# Altium PCB ESC_type_4_000.PcbDoc (part 1 of 3) (continued)
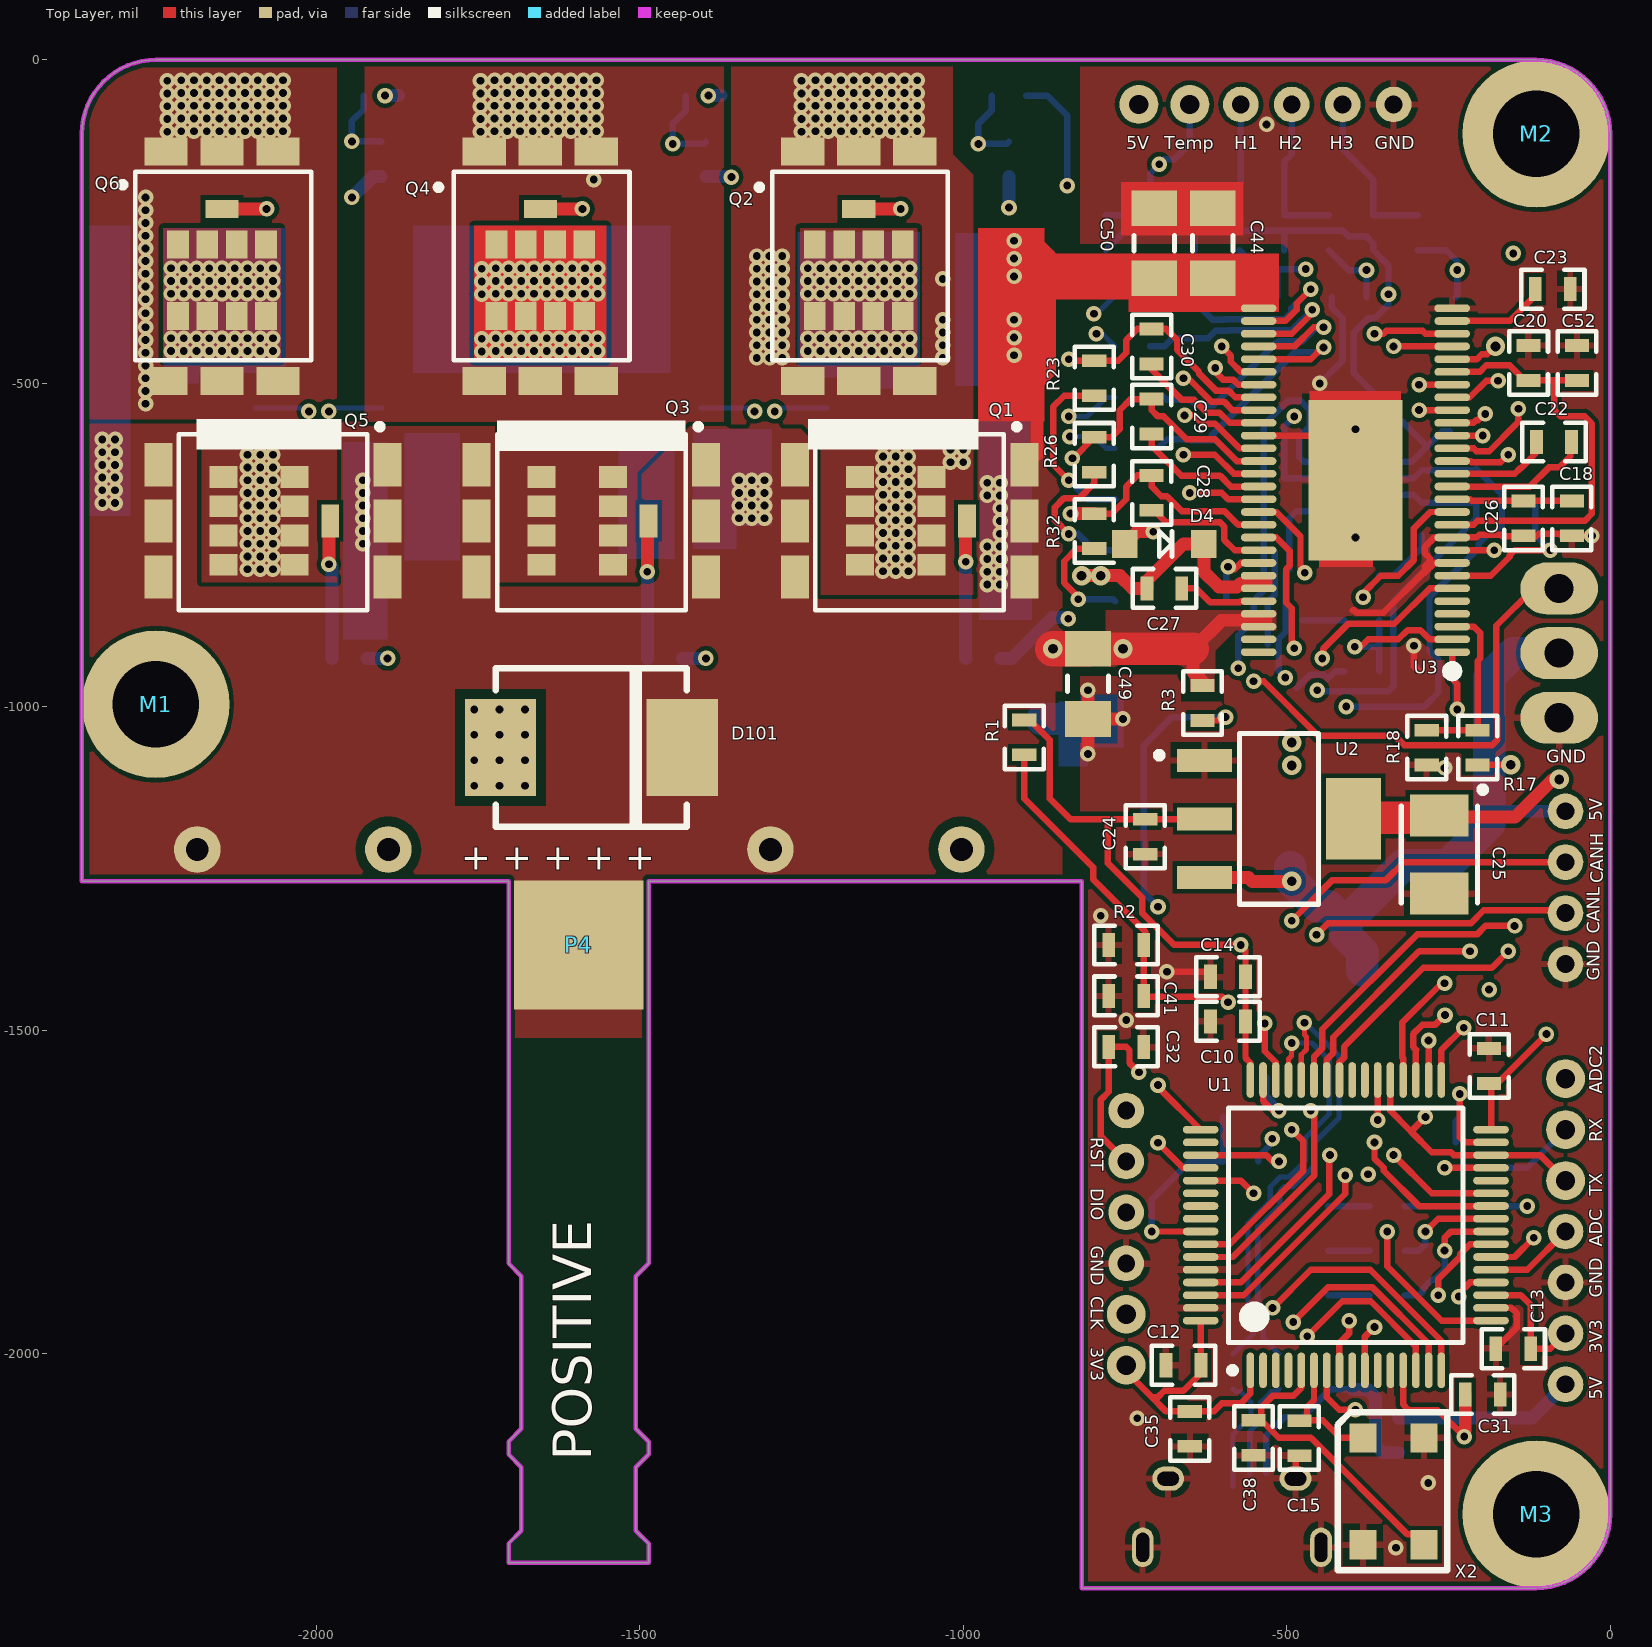
[diagram p0: Top Layer view]
## Design rules (kind name [scope] priority, off if disabled: settings)
Clearance Clearance_2 [InNet('GND') vs InNet('VBATT')] p1: gap=15 ignorepadtopadclearanceinfootprint=FALSE except(0: Arc-Hole Track-Hole SMDPad-Hole THPad-Hole Via-Hole Fill-Hole Poly-Hole Region-Hole Text-Hole)
Clearance Clearance_1 [OnLayer('Keep-Out Layer') vs HasFootprint('PAD1')] p2: gap=0 ignorepadtopadclearanceinfootprint=FALSE
Clearance [All] p3: gap=7 ignorepadtopadclearanceinfootprint=FALSE except(0: Arc-Hole Track-Hole SMDPad-Hole THPad-Hole Via-Hole Fill-Hole Poly-Hole Region-Hole Text-Hole)
ComponentClearance [All] p1: gap=1 collisioncheckmode=3 verticalgap=1 showdistances=TRUE
DiffPairsRouting [All] p1: maxlimit=10 minlimit=7 mostfreqgap=7 toplayer_minwidth=8 toplayer_maxwidth=15 toplayer_prefwidth=8 midlayer1_minwidth=8 midlayer1_maxwidth=15 midlayer1_prefwidth=8 midlayer2_minwidth=8 midlayer2_maxwidth=15 midlayer2_prefwidth=8 bottomlayer_minwidth=8 bottomlayer_maxwidth=15 bottomlayer_prefwidth=8 maxuncoupledlength=500
HoleSize [All] p1: absolutevalues=TRUE maxlimit=300 minlimit=1 maxpercent=80.000 minpercent=20.000
HoleToHoleClearance [All] p1: gap=7 allowstackedmicrovias=TRUE
MinimumSolderMaskSliver [All] p1: minsoldermaskwidth=0.5
PolygonConnect PolygonConnect_1 [(HasFootprint('WSLP2726') OR HasFootprint('PAD1') OR HasFootprint('ALU CAP 16DIA 25HIGH') OR HasFootprint('RADIAL DIODE D5.3 L9.5'))  or isvia or HasFootprint('DIRECTFET_1')] p1: connectstyle=Direct reliefconductorwidth=10 reliefentries=4 polygonreliefangle="90 Angle" airgapwidth=10
PolygonConnect "relief connection" [InNet('GND')] p2: connectstyle=Relief reliefconductorwidth=10 reliefentries=4 polygonreliefangle="90 Angle" airgapwidth=10
PolygonConnect [all or HasFootprintPad('SOP127P600-8N' ,57) or (InNamedPolygon('GND Source')) or isvia or HasFootprint('DIRECTFET_1')] p3: connectstyle=Direct reliefconductorwidth=10 reliefentries=4 polygonreliefangle="90 Angle" airgapwidth=10
RoutingVias [All] p1: holewidth=28 width=50 viastyle="Through Hole" minholewidth=12 minwidth=24 maxholewidth=28 maxwidth=50
SilkToSilkClearance [All] p1: silktosilkclearance=0
SilkToSolderMaskClearance [IsPad] p1: minsilkscreentomaskgap=0 clearancetoexposedcopper=TRUE
SolderMaskExpansion [All] p1: expansion=4
Width [All] p1: maxlimit=50 minlimit=10 preferedwidth=20
23 further rules are at their usual default settings.

## Classes and differential pairs
component class Sheet1: C2 C3 C100 C101 D1 D2 D3 D101 K1 M1 M2 M3 P1 P3 P4 P5 P101 R3 R4 R5 R6 R22 R37 R38 R53 R54 R103 R104 X1B
component class "Power Mosfet": C102 C103 C104 C105 C106 C107 C108 C109 C110 C111 P6 P7 P9 Q1 Q2 Q3 Q4 Q5 Q6 R28 R29 R30 R34 R35 R36 R42 R43 R46
component class "NTC temp sensor": C41 R1 R2
component class "MOSFET DRIVER": C18 C19 C20 C21 C22 C23 C24 C25 C26 C27 C28 C29 C30 C33 C34 C36 C43 C44 C49 C50 C52 D4 D5 L1 R17 R18 R19 R20 R21 R23 R24 R25 R26 R27 R32 R33 R48 R49 R50 R51 U2 U3
component class MCU: C10 C11 C12 C13 C14 C15 C16 C17 C31 C32 C35 C38 P2 U1 X2
component class "Hall Filter": C4 C5 C6 C7 R7 R8 R9 R10 R11 R12 R13
component class "CAN Bus": C401 C402 R401 U401
differential pair SH2: +SH2_P -SH2_N
differential pair SH1: +SH1_P -SH1_N
differential pair USB: +USB_P -USB_N
differential pair USB_D: +USB_D_P -USB_D_N

## Components (designator, comment, footprint, x,y, rotation, side; value= is the part's Value field where it differs from the comment)
C2 "Voltage important" "SMD-0603 Capacitor" -748.02,-1102.37 r180 bottom value="100nF, 50V"
C3 "Voltage important" "SMD-0603 Capacitor" -570.87,-1633.86 r180 bottom value="100nF, 50V"
C4 "CAP" "SMD-0603 Capacitor" -710.63,-267.16 r90 bottom value="4.7uF, 16V"
C5 "CAP" "SMD-0603 Capacitor" -265.75,-366.7 r0 bottom value="4.7nF, 50V"
C6 "CAP" "SMD-0603 Capacitor" -403.54,-366.7 r0 bottom value="4.7nF, 50V"
C7 "CAP" "SMD-0603 Capacitor" -541.34,-366.7 r0 bottom value="4.7nF, 50V"
C10 "Voltage important" "SMD-0603 Capacitor" -590.55,-1486.22 r0 top value="2.2uF, 16V"
C11 "Voltage important" "SMD-0603 Capacitor" -187.01,-1555.12 r270 top value="2.2uF, 16V"
C12 "Voltage important" "SMD-0603 Capacitor" -659.45,-2017.72 r0 top value="2.2uF, 16V"
C13 "Voltage important" "SMD-0603 Capacitor" -149.61,-1992.13 r0 top value="2.2uF, 16V"
C14 "Voltage important" "SMD-0603 Capacitor" -590.55,-1417.32 r0 top value="2.2uF, 16V"
C15 "CAP" "SMD-0603 Capacitor" -480.32,-2130.48 r90 top value="15pF, 100V"
C16 "Voltage important" "SMD-0603 Capacitor" -265.75,-1673.23 r0 bottom value="2.2uF, 16V"
C17 "Voltage important" "SMD-0603 Capacitor" -531.5,-1545.28 r270 bottom value="2.2uF, 16V"
C18 "CAP" "SMD-0603 Capacitor" -59.06,-708.66 r270 top value="4.7uF, 16V"
C19 "CAP" "SMD-0603 Capacitor" -383.86,-944.88 r0 bottom value="120pF, 50V"
C20 "CAP" "SMD-0603 Capacitor" -125.98,-468.5 r270 top value="4.7uF, 16V"
C21 "CAP" "SMD-0603 Capacitor" -501.97,-866.14 r0 bottom value="6.8nF, 50V"
C22 "CAP" "SMD-0603 Capacitor" -86.61,-590.55 r180 top value="22nF, 50V"
C23 "Voltage important" "SMD-0603 Capacitor" -88.58,-354.33 r180 top value="2.2uF, 16V"
C24 "Voltage important" "SMD-0603 Capacitor" -718.5,-1200.79 r90 top value="2.2uF, 16V"
C25 "Voltage important" "TANT B" -263.78,-1228.35 r270 top value="100uF, 6.3V"
C26 "CAP" "SMD-0603 Capacitor" -133.86,-708.66 r90 top value="4.7uF, 16V"
C27 "Voltage important" "SMD-0603 Capacitor" -688.98,-816.93 r180 top value="100nF, 50V"
C28 "Voltage important" "SMD-0603 Capacitor" -708.66,-669.29 r90 top value=220nF,25V
C29 "Voltage important" "SMD-0603 Capacitor" -708.66,-551.18 r90 top value=220nF,25V
C30 "Voltage important" "SMD-0603 Capacitor" -708.66,-442.91 r90 top value=220nF,25V
C31 "Voltage important" "SMD-0603 Capacitor" -196.85,-2062.99 r180 top value="2.2uF, 16V"
C32 "Voltage important" "SMD-0603 Capacitor" -748.03,-1525.59 r180 top value="100nF, 50V"
C33 "Voltage important" "TANT B" -448.82,-1405.51 r180 bottom value="100uF, 6.3V"
C34 "CAP" "SMD-0603 Capacitor" -620.08,-561.02 r270 bottom value="2.2nF, 50V"
C35 "Voltage important" "SMD-0603 Capacitor" -649.61,-2116.14 r90 top value="2.2uF, 16V"
C36 "CAP" "SMD-0603 Capacitor" -639.76,-403.54 r270 bottom value="2.2nF, 50V"
C38 "CAP" "SMD-0603 Capacitor" -551.18,-2129.92 r270 top value="15pF, 100V"
C41 "Voltage important" "SMD-0603 Capacitor" -748.03,-1446.85 r0 top value="2.2uF, 16V"
C43 "CAP" "SMD-1206 Capacitor" -807.09,-964.57 r90 bottom value="4.7uF, 100V"
C44 "CAP" "SMD-1206 Capacitor" -614.17,-283.46 r270 top value="4.7uF, 100V"
C49 "CAP" "SMD-1206 Capacitor" -807.09,-964.57 r270 top value="4.7uF, 100V"
C50 "CAP" "SMD-1206 Capacitor" -704.72,-283.46 r90 top value="4.7uF, 100V"
C52 "Voltage important" "SMD-0603 Capacitor" -51.18,-468.5 r270 top value="2.2uF, 16V"
C100 "CAP_POL" "ALU CAP 16DIA 25HIGH" -1150.39,-1220.47 r0 bottom value="680uF, 63V"
C101 "CAP_POL" "ALU CAP 16DIA 25HIGH" -2036.22,-1220.47 r0 bottom value="680uF, 63V"
C102 "CAP" "SMD-1206 Capacitor" -1035.43,-468.5 r180 bottom value="4.7uF, 100V"
C103 "CAP" "SMD-1206 Capacitor" -1035.43,-385.83 r180 bottom value="4.7uF, 100V"
C104 "CAP" "SMD-1206 Capacitor" -1874.02,-629.92 r0 bottom value="4.7uF, 100V"
C105 "CAP" "SMD-1206 Capacitor" -1433.07,-629.92 r180 bottom value="4.7uF, 100V"
C106 "CAP" "SMD-1206 Capacitor" -2264.76,-295.28 r0 bottom value="4.7uF, 100V"
C107 "CAP" "SMD-1206 Capacitor" -2264.76,-377.95 r0 bottom value="4.7uF, 100V"
C108 "CAP" "SMD-1206 Capacitor" -2264.76,-460.63 r0 bottom value="4.7uF, 100V"
C109 "CAP" "SMD-1206 Capacitor" -1035.43,-303.15 r180 bottom value="4.7uF, 100V"
C110 "CAP" "SMD-1206 Capacitor" -1874.02,-720.47 r0 bottom value="4.7uF, 100V"
C111 "CAP" "SMD-1206 Capacitor" -1432.62,-720.47 r180 bottom value="4.7uF, 100V"
C401 "Voltage important" "SMD-0603 Capacitor" -535.43,-649.61 r0 bottom value="2.2uF, 16V"
C402 "Voltage important" "SMD-0603 Capacitor" -248.03,-547.24 r270 bottom value="2.2uF, 16V"
D1 "LED_GREEN" "SMD-0603 LED GREEN" -462.6,-1909.46 r180 bottom
D2 "LED_RED" "SMD-0603 LED RED" -462.6,-1840.56 r180 bottom
D3 "LED_BLUE" "SMD-0603 LED BLUE" -462.6,-1771.66 r180 bottom
D4 "Voltage and current important" SOD-123W -688.98,-748.03 r180 top
D5 "D_TVS" DO-214AC -255.91,-1171.26 r90 bottom value=5V
D101 "D_TVS_1" SMC-403-03 -1574.8,-1062.99 r180 top value=51V
K1 "-" "HEADER 3 PIN" -78.74,-816.93 r270 bottom
L1 "COIL" HCM0503 -492.13,-1157.48 r270 bottom value=22µH
M1 "M3 Socket head Mounting Point" "M3 Socket head" -2248.03,-996.06 r0 top value=M3
M2 "M3 Socket head Mounting Point" "M3 Socket head" -114.17,-114.17 r0 top value=M3
M3 "M3 Socket head Mounting Point" "M3 Socket head" -114.17,-2248.03 r0 top value=M3
P1 "B6B-PH-K-S(LF)(SN)" "JST PH TH VERT 6" -334.64,-68.89 r0 bottom value="JST PH 6 PIN"
P2 "#NAME?" "JST PH TH VERT 6" -748.03,-1624.02 r90 bottom value="JST PH 6 PIN"
P3 "B7B-PH-K-S(LF)(SN)" "JST PH TH VERT 7" -68.9,-2047.24 r270 bottom value="JST PH 4 PIN"
P4 "-" PAD1 -1594.49,-1368.11 r90 top
P5 "-" PAD1 -1594.49,-1368.11 r90 bottom
P6 "-" PAD1 -2145.67,-108.27 r270 bottom
P7 "-" PAD1 -1653.54,-108.27 r180 bottom
P9 "-" PAD1 -1161.42,-108.27 r270 bottom
P101 "B4B-PH-K-S(LF)(SN)" "JST PH TH VERT 4" -68.9,-1397.64 r270 bottom value="JST PH 4 PIN"
Q1 "MOSFET_N" DIRECTFET_1 -1082.68,-712.6 r180 top
Q2 "MOSFET_N" DIRECTFET_1 -1161.42,-318.9 r270 top
Q3 "MOSFET_N" DIRECTFET_1 -1574.8,-712.6 r180 top
Q4 "MOSFET_N" DIRECTFET_1 -1653.54,-318.9 r270 top
Q5 "MOSFET_N" DIRECTFET_1 -2066.93,-712.6 r180 top
Q6 "MOSFET_N" DIRECTFET_1 -2145.67,-318.9 r270 top
R1 "10K" "SMD-0603 Resistor" -905.51,-1047.24 r90 top
R2 "10k" "SMD-0603 Resistor" -748.03,-1368.11 r0 top
R3 "39k" "SMD-0603 Resistor" -629.92,-994.09 r90 top
R4 "2.2k" "SMD-0603 Resistor" -748.02,-1181.11 r0 bottom
R5 "2.2k" "SMD-0603 Resistor" -570.87,-1702.76 r180 bottom
R6 "0" "SMD-0603 Resistor" -326.77,-2125.98 r90 bottom
R7 "10k" "SMD-0603 Resistor" -779.53,-267.16 r270 bottom
R8 "10k" "SMD-0603 Resistor" -572.84,-267.16 r90 bottom
R9 "10k" "SMD-0603 Resistor" -435.04,-267.16 r90 bottom
R10 "10k" "SMD-0603 Resistor" -297.24,-267.16 r90 bottom
R11 "2.2k" "SMD-0603 Resistor" -366.14,-267.16 r270 bottom
R12 "2.2k" "SMD-0603 Resistor" -503.94,-267.16 r270 bottom
R13 "2.2k" "SMD-0603 Resistor" -641.73,-267.16 r270 bottom
R17 "18k" "SMD-0603 Resistor" -204.72,-1062.99 r270 top
R18 "3.3k" "SMD-0603 Resistor" -283.46,-1062.99 r90 top
R19 "15k" "SMD-0603 Resistor" -385.83,-870.08 r0 bottom
R20 "10k" "SMD-0603 Resistor" -88.58,-688.98 r180 bottom
R21 "220k" "SMD-0603 Resistor" -265.75,-944.88 r0 bottom
R22 "2.2k" "SMD-0603 Resistor" -344.49,-1771.66 r0 bottom
R23 "39k" "SMD-0603 Resistor" -797.24,-492.13 r90 top
R24 "2.2k" "SMD-0603 Resistor" -738.19,-679.13 r0 bottom
R25 "1M" "SMD-0603 Resistor" -620.08,-836.61 r180 bottom
R26 "39k" "SMD-0603 Resistor" -797.24,-610.24 r90 top
R27 "2.2k" "SMD-0603 Resistor" -738.19,-757.87 r0 bottom
R28 "4R7" "SMD-0603 Resistor" -968.5,-925.2 r180 bottom
R29 "4R7" "SMD-0603 Resistor" -929.13,-55.12 r180 bottom
R30 "39k" "SMD-0603 Resistor" -929.13,-153.54 r270 bottom
R32 "39k" "SMD-0603 Resistor" -797.24,-728.35 r90 top
R33 "2.2k" "SMD-0603 Resistor" -738.19,-836.61 r0 bottom
R34 "4R7" "SMD-0603 Resistor" -1460.63,-925.2 r180 bottom
R35 "4R7" "SMD-0603 Resistor" -1401.57,-55.12 r180 bottom
R36 "39k" "SMD-0603 Resistor" -1397.64,-153.54 r270 bottom
R37 "100" "SMD-0603 Resistor" -344.49,-1909.46 r0 bottom
R38 "100" "SMD-0603 Resistor" -344.49,-1840.56 r0 bottom
R42 "4R7" "SMD-0603 Resistor" -1948.82,-925.2 r180 bottom
R43 "4R7" "SMD-0603 Resistor" -1899.61,-55.12 r180 bottom
R46 "39k" "SMD-0603 Resistor" -1899.61,-153.54 r270 bottom
R48 "100" "SMD-0603 Resistor" -738.19,-600.39 r180 bottom
R49 "100" "SMD-0603 Resistor" -738.19,-521.65 r180 bottom
R50 "100" "SMD-0603 Resistor" -738.19,-442.91 r180 bottom
R51 "100" "SMD-0603 Resistor" -738.19,-364.17 r180 bottom
R53 "0R001" WSLP2726 -1996.06,-456.69 r0 bottom
R54 "0R001" WSLP2726 -1307.09,-456.69 r0 bottom
R103 "22R0" "SMD-0603 Resistor" -511.81,-2027.56 r90 bottom
R104 "22R0" "SMD-0603 Resistor" -582.68,-2027.56 r90 bottom
R401 "200" "SMD-0603 Resistor" -206.69,-659.45 r270 bottom
U1 "STM32F" TSQFP50P1200X1200X160-64 -408.46,-1801.18 r90 top
U2 "3.3V" SOT230P700X180-4N -511.81,-1173.23 r0 top
U3 "DRV8302" SOP127P600-8N -393.7,-649.61 r180 top value="MOSFET Driver"
U401 "CAN_TRANS_1" HVSON8 -393.7,-659.45 r0 bottom value=Transceiver
X1B "MINI_USB" "USB-MICRO B RA SMT-TH" -584.65,-2299.21 r180 bottom value=Micro-USB
X2 "OSC_1" "4-SMD CRYSTAL 5X3.2mm" -334.65,-2212.6 r270 top value=8Mhz

## Footprints (in the part's own frame and the unit in brackets; to place one, negate y for a bottom-side part, rotate by r counter-clockwise, add the part's x,y. Pads: shape width x height; smd on the part's side, far side on the other; paste and mask are expansions set on the pad)
"4-SMD CRYSTAL 5X3.2mm" [mil]
  rect 45x42 smd: 1(-82.68,-47.24) 2(82.68,-47.24) 3(82.68,47.24) 4(-82.68,47.24)
  silkscreen extent -122,-87 122,83, body extent -98,-63 98,63, height 39
"ALU CAP 16DIA 25HIGH" [mil]
  round 72 hole 35.43: 1(-147.64,0) 2(147.64,0)
  body extent -325,-59 324,1122, height 363
DIRECTFET_1 [mm]
  rect 1.1x1.7 smd: D(-4.5,-2.2) D(-4.5,0) D(-4.5,2.2) D(4.5,-2.2) D(4.5,0) D(4.5,2.2)
  rect 0.7x1.3 smd: G(-2.25,0)
  rect 1.1x0.85 smd: S(-0.85,1.725) S(-0.85,-0.575) S(-0.85,0.575) S(-0.85,-1.725) S(1.95,1.725) S(1.95,-0.575) S(1.95,0.575) S(1.95,-1.725)
  silkscreen extent -4.3,-3.8 3.7,3.5, body extent -4.57,-3.55 4.58,3.55, height 0.83
DO-214AC [mm]
  rect 2x1.65 smd: 1(-1.875,0) 2(1.875,0)
  silkscreen extent -2.87,-1.62 -2.63,-1.38, body extent -2.5,-1.35 2.5,1.35, height 2.2
HCM0503 [mm]
  rect 2.05x2.2 smd: 1(-2.125,0) 2(2.125,0)
  Top Layer keep-out region: -1.73,-2.55 -2.33,-2.399 -2.788,-1.983 -2.994,-1.4 -2.994,-1.4 -0.8,-1.4 -0.8,1.4 -2.994,1.4 -2.788,1.983 -2.33,2.399 -1.73,2.55 -1.73,2.55 1.73,2.55 2.33,2.399 2.788,1.983 2.994,1.4 2.994,1.4 0.8,1.4 0.8,-1.4 2.994,-1.4 2.788,-1.983 2.33,-2.399 1.73,-2.55 1.73,-2.55
  silkscreen extent -2.8,-2.7 2.8,2.7, body extent -2.62,-2.55 2.62,2.55, height 3
"HEADER 3 PIN" [mil]
  oval 80x120 hole 45: 1(0,0) 2(100,0) 3(200,0)
  silkscreen extent -50,-60 250,55, body extent -50,-60 250,55, height 335
HVSON8 [mm] "SON, 8-Leads, Body 3.00x3.00mm, Pitch 0.65mm, Thermal Pad 2.40x1.59mm, IPC Medium Density"
  rect 0.85x0.25 smd: 1(-1.42,0.975) 2(-1.42,0.325) 3(-1.42,-0.325) 4(-1.42,-0.975) 5(1.42,-0.975) 6(1.42,-0.325) 7(1.42,0.325) 8(1.42,0.975)
  rect 1.59x2.4 smd: 9(0,0)
  silkscreen extent -2.2,-1.7 1.7,1.7, body extent -1.55,-1.55 1.55,1.55, height 1
"JST PH TH VERT 4" [mm]
  round 1.4 hole 0.7: 1(0,0) 2(-2,0) 3(-4,0) 4(-6,0)
  silkscreen extent -8,-1.5 1.9,2.7, body extent -8.05,-1.7 1.95,2.8, height 6
"JST PH TH VERT 6" [mm]
  round 1.524 hole 0.762: 1(-10,0) 2(-8,0)
  round 1.4 hole 0.7: 3(-6,0) 4(-4,0) 5(-2,0) 6(0,0)
  silkscreen extent -12,-1.5 1.9,2.7, body extent -12.05,-1.7 1.95,2.8, height 6
"JST PH TH VERT 7" [mm]
  round 1.4 hole 0.7: 1(0,0) 2(-2,0) 3(-4,0) 4(-6,0)
  round 1.524 hole 0.762: 5(-8,0) 6(-10,0) 7(-12,0)
  silkscreen extent -14,-1.5 1.9,2.7, body extent -14.05,-1.7 1.95,2.8, height 6
"M3 Socket head" [mm]
  round 5.8 hole 3.4 paste+0: 1(0,0)
PAD1 [mil]
  rect 200x200 smd: 1(0,0)
SMC-403-03 [mil]
  rect 110x150 smd: A(140.5,0) K(-140.5,0)
  silkscreen extent -148,-126 148,126, body extent -150,-122 150,122, height 110
"SMD-0603 Capacitor" [mm]
  rect 0.5x0.95 smd: 1(-0.686,0) 2(0.686,0)
  silkscreen extent -1.24,-0.76 1.24,0.76, body extent -0.8,-0.39 0.8,0.41, height 0.86
"SMD-0603 LED BLUE" [mm]
  rect 0.5x0.95 smd: 1(-0.686,0) 2(0.686,0)
  silkscreen extent -1.24,-0.76 1.24,0.76, body extent -0.81,-0.4 0.81,0.4, height 0.6
"SMD-0603 LED GREEN" [mm]
  rect 0.5x0.95 smd: 1(-0.686,0) 2(0.686,0)
  silkscreen extent -1.24,-0.76 1.24,0.76, body extent -0.81,-0.4 0.81,0.4, height 0.6
"SMD-0603 LED RED" [mm]
  rect 0.5x0.95 smd: 1(-0.686,0) 2(0.686,0)
  silkscreen extent -1.24,-0.76 1.24,0.76, body extent -0.81,-0.4 0.81,0.4, height 0.6
"SMD-0603 Resistor" [mm]
  rect 0.5x0.95 smd: 1(-0.686,0) 2(0.686,0)
  silkscreen extent -1.24,-0.76 1.24,0.76, body extent -0.85,-0.39 0.85,0.41, height 0.56
"SMD-1206 Capacitor" [mm]
  rect 1.4x1.8 smd: 1(-1.375,0) 2(1.375,0)
  silkscreen extent -0.3,-0.8 0.3,0.8, body extent -1.6,-0.8 1.6,0.8, height 1
SOD-123W [mm] "SODFL, 2-Leads, Body 1.70x3.50mm, IPC Medium Density"
  rect 1x1.1 smd: 1(-1.55,0) 2(1.55,0)
  silkscreen extent -0.3,-0.5 0.2,0.5, body extent -1.85,-0.8 1.85,0.8, height 1.25
SOP127P600-8N [mm]
  oval 1.4x0.3 smd: 1(-3.8,6.75) 2(-3.8,6.25) 3(-3.8,5.75) 4(-3.8,5.25) 5(-3.8,4.75) 6(-3.8,4.25) 7(-3.8,3.75) 8(-3.8,3.25) 9(-3.8,2.75) 10(-3.8,2.25) 11(-3.8,1.75) 12(-3.8,1.25) 13(-3.8,0.75) 14(-3.8,0.25) 15(-3.8,-0.25) 16(-3.8,-0.75) 17(-3.8,-1.25) 18(-3.8,-1.75) 19(-3.8,-2.25) 20(-3.8,-2.75) 21(-3.8,-3.25) 22(-3.8,-3.75) 23(-3.8,-4.25) 24(-3.8,-4.75) 25(-3.8,-5.25) 26(-3.8,-5.75) 27(-3.8,-6.25) 28(-3.8,-6.75) 29(3.8,-6.75) 30(3.8,-6.25) 31(3.8,-5.75) 32(3.8,-5.25) 33(3.8,-4.75) 34(3.8,-4.25) 35(3.8,-3.75) 36(3.8,-3.25) 37(3.8,-2.75) 38(3.8,-2.25) 39(3.8,-1.75) 40(3.8,-1.25) 41(3.8,-0.75) 42(3.8,-0.25) 43(3.8,0.25) 44(3.8,0.75) 45(3.8,1.25) 46(3.8,1.75) 47(3.8,2.25) 48(3.8,2.75) 49(3.8,3.25) 50(3.8,3.75) 51(3.8,4.25) 52(3.8,4.75) 53(3.8,5.25) 54(3.8,5.75) 55(3.8,6.25) 56(3.8,6.75)
  rect 3.7x6.3 smd: 57(0,0)
  silkscreen extent -3.93,7.33 -3.68,7.57, body extent -4.1,-7 4.1,7, height 1.1
SOT230P700X180-4N [mm] "SOT223, 4-Leads, Body 6.50x7.00mm (avg), Pitch 2.30mm, IPC Medium Density"
  rect 2.15x0.9 smd: 1(-2.925,2.3) 2(-2.925,0) 3(-2.925,-2.3)
  rect 2.15x3.2 smd: 2(2.925,0)
  silkscreen extent -4.82,-3.35 1.55,3.35, body extent -3.48,-3.25 3.48,3.25, height 1.68
"TANT B" [mm] "Molded Capacitor, 2-Leads, Body 3.50x2.85mm, IPC Medium Density"
  rect 1.65x2.3 smd: 1(-1.525,0) 2(1.525,0)
  silkscreen extent -2.67,-1.5 1.9,1.83, body extent -1.64,-1.32 2.05,1.5, height 2.1
TSQFP50P1200X1200X160-64 [mm] "TSQFP, 64-Leads, Body 10.00x10.00mm, Pitch 0.50mm, IPC Medium Density"
  oval 1.4x0.3 smd: 1(-5.7,3.75) 2(-5.7,3.25) 3(-5.7,2.75) 4(-5.7,2.25) 5(-5.7,1.75) 6(-5.7,1.25) 7(-5.7,0.75) 8(-5.7,0.25) 9(-5.7,-0.25) 10(-5.7,-0.75) 11(-5.7,-1.25) 12(-5.7,-1.75) 13(-5.7,-2.25) 14(-5.7,-2.75) 15(-5.7,-3.25) 16(-5.7,-3.75) 33(5.7,-3.75) 34(5.7,-3.25) 35(5.7,-2.75) 36(5.7,-2.25) 37(5.7,-1.75) 38(5.7,-1.25) 39(5.7,-0.75) 40(5.7,-0.25) 41(5.7,0.25) 42(5.7,0.75) 43(5.7,1.25) 44(5.7,1.75) 45(5.7,2.25) 46(5.7,2.75) 47(5.7,3.25) 48(5.7,3.75)
  oval 0.3x1.4 smd: 17(-3.75,-5.7) 18(-3.25,-5.7) 19(-2.75,-5.7) 20(-2.25,-5.7) 21(-1.75,-5.7) 22(-1.25,-5.7) 23(-0.75,-5.7) 24(-0.25,-5.7) 25(0.25,-5.7) 26(0.75,-5.7) 27(1.25,-5.7) 28(1.75,-5.7) 29(2.25,-5.7) 30(2.75,-5.7) 31(3.25,-5.7) 32(3.75,-5.7) 49(3.75,5.7) 50(3.25,5.7) 51(2.75,5.7) 52(2.25,5.7) 53(1.75,5.7) 54(1.25,5.7) 55(0.75,5.7) 56(0.25,5.7) 57(-0.25,5.7) 58(-0.75,5.7) 59(-1.25,5.7) 60(-1.75,5.7) 61(-2.25,5.7) 62(-2.75,5.7) 63(-3.25,5.7) 64(-3.75,5.7)
  silkscreen extent -5.82,-4.6 4.6,4.6, body extent -6,-6 6,6, height 1.56
"USB-MICRO B RA SMT-TH" [mm]
  rect 0.4x1.35 smd: 1(-1.3,2.7) 2(-0.65,2.7) 3(0,2.7) 4(0.65,2.7) 5(1.3,2.7)
  oval 0.85x1.55 hole 0.5 slot 1.15 at 90 deg: 5(-3.5,0) 5(3.5,0)
  rect 1.1x1.55 smd: 5(-2.9,0) 5(2.9,0)
  oval 1.25x0.95 hole 0.55 slot 0.85 at 0 deg: 5(-2.5,2.7) 5(2.5,2.7)
  rect 1.5x1.55 smd: 5(-1.15,0) 5(1.15,0)
  silkscreen extent -4.1,-1.45 4.1,3.6, body extent -4.03,-2.7 4.02,2.88, height 2.75
WSLP2726 [mm]
  rect 2.44x5.6 smd: 1(-2.48,-2.067) 2(2.48,-2.067)
  rect 2.44x0.89 smd: 3(-2.48,2.068) 4(2.48,2.068)
  body extent -3.45,-4.2 3.45,2.4, height 2.95

## Part data
C2 C3 C27 C32: library part 7, "CAP 100n, 50V, 0603", Manufacturer="AVX Corporation", Manufacturer Part Number=06035C104JAT2A, ID=7, Place (YES/NO)=YES
C4 C18 C20 C26: library part 25, "CAP 4.7u, 16V, 0603", Manufacturer="TDK Corporation", Manufacturer Part Number=C1608X6S1C475K080AC, ID=25, Place (YES/NO)=YES
C5 C6 C7: library part 1, "CAP 4.7n, 50V, 0603", Manufacturer="Murata Electronics North America", Manufacturer Part Number=GRM39X472J50D, ID=1, Place (YES/NO)=YES
C10 C11 C12 C13 C14 C16 C17 C23 C24 C31 C35 C41 C52 C401 C402: library part 9, "CAP 2.2u, 16V, 0603", Manufacturer="TDK Corporation", Manufacturer Part Number=C1608X5R1C225M, ID=9, Place (YES/NO)=YES
C15 C38: library part 3, "CAP 15p, 100V, 0603", Manufacturer="Murata Electronics North America", Manufacturer Part Number=GRM1885C2A150JA01, ID=3, Place (YES/NO)=YES
C19: library part 4, "CAP 120p, 50V, 0603", Manufacturer="Murata Electronics North America", Manufacturer Part Number=GRM39C121J50, ID=4, Place (YES/NO)=YES
C21: library part 5, "CAP 6.8n, 50V, 0603", Manufacturer="Murata Electronics North America", Manufacturer Part Number=GRM18R71H682KA01J, ID=5, Place (YES/NO)=YES
C22: library part 6, "CAP 22n, 50V, 0603", Manufacturer="Murata Electronics North America", Manufacturer Part Number=GRM18F51H223ZA01D, ID=6, Place (YES/NO)=YES
C25 C33: library part 12, "CAP 100u, 6.3V", Manufacturer="AVX Corporation", Manufacturer Part Number=TPSB107K006R0400, ID=12, Place (YES/NO)=YES
C28 C29 C30: library part 8, "CAP 220n, 25V, 0603", Manufacturer="Taiyo Yuden", Manufacturer Part Number=TMK107B7224KA-T, ID=8, Place (YES/NO)=YES
C34 C36: library part 2, "CAP 2.2n, 50V, 0603", Manufacturer="Murata Electronics North America", Manufacturer Part Number=GRM39X222J50D, ID=2, Place (YES/NO)=YES
C43 C44 C49 C50 C102 C103 C104 C105 C106 C107 C108 C109 C110 C111: library part 23, "4.7µF 100V Ceramic Capacitor X7S 1206", Manufacturer="AVX Corporation", Manufacturer Part Number=12061Z475MAT2A, ID=23, Place (YES/NO)=YES
C100 C101: library part 21, "680µF 63V Aluminum Capacitors Radial", Manufacturer=Nichicon, Manufacturer Part Number=UPW1J681MHD, ID=21, Place (YES/NO)=YES
D1: library part 1, "LED Green, 0603", Manufacturer="Lite-On Inc.", Manufacturer Part Number=LTST-C191KGKT, ID=1, Part Number=LTST-C191KGKT, Place (YES/NO)=YES
D2: library part 2, "LED Red, 0603", Manufacturer="Lite-On Inc.", Manufacturer Part Number=LTST-C191KRKT, ID=2, Part Number=LTST-C191KRKT, Place (YES/NO)=YES
D3: library part 3, "LED Blue, 0603", Manufacturer=OSRAM, Manufacturer Part Number=LBQ39GN1P1351, ID=3, Part Number=LBQ39GN1P1351, Place (YES/NO)=YES
D4: library part 4, "Shottky 60V 2A", Manufacturer="NXP Semiconductors", Manufacturer Part Number=PMEG6020ER-115, ID=4, Place (YES/NO)=YES
D5: library part 5, "TVS diode 5V", Manufacturer="Littelfuse Inc.", Manufacturer Part Number=SMAJ5.0A, ID=5, Place (YES/NO)=YES
D101: library part 16, "TVS DIODE 51VWM 82.4VC SMC", Manufacturer="ON Semiconductor", Manufacturer Part Number=SMCJ51A, ID=16, Place (YES/NO)=YES
K1: library part 6, "Breakaway 3 pin Through hole", ID=6, Manufacturer=-, Manufacturer Part Number=-, Place (YES/NO)=YES
L1: library part 7, "FIXED IND 22UH 1.9A 270 MOHM SMD", Manufacturer=Eaton, Manufacturer Part Number=HCM0503-220-R, ID=7, Place (YES/NO)=YES
M1 M2 M3: library part 1, ID=1, Place (YES/NO)=yes
P1: library part 3, "JST PH Through hole Vertical 6 Pin", Manufacturer=JST, ID=3, Manufacturer Part Number=B6B-PH-K-S(LF)(SN), Place (YES/NO)=YES
P2: library part 3, "JST PH Through hole Vertical 6 Pin", Manufacturer=JST, Manufacturer Part Number=B6B-PH-K-S(LF)(SN), ID=3, Place (YES/NO)=YES
P3: library part 4, "JST PH Through hole Vertical 7 Pin", Manufacturer=JST, ID=4, Manufacturer Part Number=B7B-PH-K-S(LF)(SN), Place (YES/NO)=YES
P4 P5 P6 P7 P9: library part 1, "SMD Power landing", ID=1, Manufacturer=-, Manufacturer Part Number=-, Place (YES/NO)=-
P101: library part 2, "JST PH Through hole Vertical 4 Pin", Manufacturer=JST, ID=2, Manufacturer Part Number=B4B-PH-K-S(LF)(SN), Place (YES/NO)=YES
Q1 Q2 Q3 Q4 Q5 Q6: library part 10, "MOSFET N-CH 60V 200A DIRECTFETL8", Manufacturer="Infineon Technologies Americas Corp", Manufacturer Part Number=IRF7749L1TRPBF, ID=10, Place (YES/NO)=YES
R1: library part 15, "NTC resistor (temp sensor)", Manufacturer="Murata Electronics North America", Manufacturer Part Number=NCP18XH103F03RB, ID=15, Place (YES/NO)=YES
R2 R7 R8 R9 R10 R20: library part 5, "R 10k, 0603", Manufacturer="KOA Speer", Manufacturer Part Number=RK73H1JTTD1002F, ID=5, Place (YES/NO)=YES
R3 R23 R26 R30 R32 R36 R46: library part 8, "R 39k, 0603", Manufacturer="Panasonic Electronic Components", Manufacturer Part Number=ERJ-3EKF3902V, ID=8, Place (YES/NO)=YES
R4 R5 R11 R12 R13 R22 R24 R27 R33: library part 3, "R 2.2k, 0603", Manufacturer="KOA Speer", Manufacturer Part Number=RK73H1JTTD2201F, ID=3, Place (YES/NO)=YES
R6: library part 16, "R 0 ohm, 0603", Manufacturer="KOA Speer", ID=16, Place (YES/NO)="NOT PLACED"
R17: library part 7, "R 18k, 0603", Manufacturer="KOA Speer", Manufacturer Part Number=RK73H1JTTD1802F, ID=7, Place (YES/NO)=YES
R18: library part 4, "R 3.3k, 0603", Manufacturer="KOA Speer", Manufacturer Part Number=RK73H1JTTD3301F, ID=4, Place (YES/NO)=YES
R19: library part 6, "R 15k, 0603", Manufacturer="KOA Speer", Manufacturer Part Number=RK73H1JTTD1502F, ID=6, Place (YES/NO)=YES
R21: library part 9, "R 220k, 0603", Manufacturer="KOA Speer", Manufacturer Part Number=RK73H1JTTD2203F, ID=9, Place (YES/NO)=YES
R25: library part 11, "R 1M, 0603", Manufacturer="KOA Speer", Manufacturer Part Number=RK73H1JTTD1004F, ID=11, Place (YES/NO)=YES
R28 R29 R34 R35 R42 R43: library part 1, "R 4.7ohm, 0603", Manufacturer="KOA Speer", Manufacturer Part Number=RK73H1JTTD4R70F, ID=1, Place (YES/NO)=YES
R37 R38 R48 R49 R50 R51: library part 2, "R 100ohm, 0603", Manufacturer="KOA Speer", Manufacturer Part Number=RK73H1JTTD1000F, ID=2, Place (YES/NO)=YES
R53: library part 13, "Shunt 1mOhm", Manufacturer="Vishay Dale", Manufacturer Part Number=WSLP27261L000FEA, ID=13, Place (YES/NO)=YES
R54: library part 14, "Shunt 1mOhm MIRROR", Manufacturer="Vishay Dale", Manufacturer Part Number=WSLP27261L000FEA, ID=14, Place (YES/NO)=YES
R103 R104: library part 12, "R 22R, 0603", Manufacturer="KOA Speer", Manufacturer Part Number=RK73H1JTTD22R0F, ID=12, Place (YES/NO)=YES
R401: library part 381, "RES SMD 200 OHM 1% 1/10W 0603", Manufacturer="Panasonic Electronic Components", Manufacturer Part Number=ERJ-3EKF2000V, ID=381, Place (YES/NO)=YES
U1: library part 4, "IC MCU 32BIT 1MB FLASH 64LQFP", Manufacturer=STMicroelectronics, Manufacturer Part Number=STM32F405RGT6, ID=4, Place (YES/NO)=YES
U2: library part 3, "VREG LDO", Manufacturer="Diodes Incorporated", Manufacturer Part Number=AP2114H-3.3TRG1, ID=3, Place (YES/NO)=YES
U3: library part 2, "MOSFET Driver", Manufacturer="Texas Instruments", Manufacturer Part Number=DRV8302DCA, ID=2, Place (YES/NO)=YES
U401: library part 20, "IC CAN TRANSEIVER HS 8HVSON", Manufacturer="NXP USA Inc.", Manufacturer Part Number=TJA1051TK/3,118, ID=20, Place (YES/NO)=YES
X1B: library part 39, "CONN USB MICRO B RECPT SMT R/A TH", Manufacturer="Amphenol FCI", Manufacturer Part Number=10118194-0001LF, ID=39, Place (YES/NO)=YES
X2: library part 1, "Crystal 8MHz, 10PPM", Manufacturer="Abracon LLC", Manufacturer Part Number=ABM3B-8.0-10-1UT, ID=1, Place (YES/NO)=YES

## Via types
v1: diameter 24, hole 12, Top Layer to Bottom Layer, tented both sides, 613 vias
v2: diameter 30, hole 15, Top Layer to Bottom Layer, tented both sides, 10 vias
v3: diameter 50, hole 12, Top Layer to Bottom Layer, tented both sides, 2 vias

## Nets (pads, with @x,y where several pads share a name; then routed paths per layer and width w, separated by ;. In a path a pad name is that pad's centre, name@x,y a point inside that pad or via, vN(x,y) a via of type N, cw(c..) or ccw(c..) an arc to the next point about the centre after c; other vN are vias at no path point)
3V3: C10.2 C11.2 C12.2 C13.2 C14.2 C24.2 C25.1 C31.2 C35.2 C402.2 P2.1 P3.2 R1.2 R7.2 R11.2 R12.2 R13.2 R22.2 U1.1 U1.13 U1.19 U1.32 U1.48 U1.64 U2.2 U3.9 U3.24 U401.5 | length 7610.7
  Top Layer w10: R1.2@-897.08,-1020.24 -866.14,-1051.18 -866.14,-1141.73 -834.09,-1173.79 -776.3,-1173.79 ; P2.1@-748.03,-2017.72 -748.03,-2027.56 -708.66,-2066.93 ; U1.64@-632.87,-1948.82 -632.87,-2017.29 C12.2@-632.45,-2017.72 -632.45,-2030.09 -659.45,-2057.09 -688.98,-2057.09 -698.82,-2066.93 -708.66,-2066.93 ; U2.2@-629.5,-1173.79 C24.2@-718.5,-1173.79 -776.3,-1173.79 ; v1(-570.87,-1368.11) -673.7,-1368.11 -722.82,-1319 -722.82,-1294.9 -776.3,-1241.42 -776.3,-1173.79 ; v1@-563.55,-1375.43 C14.2@-563.55,-1417.32 C10.2@-563.55,-1486.22 -563.55,-1542.75 -556.1,-1550.2 U1.48@-556.1,-1576.77 ; U1.1@-556.1,-2025.59 -556.1,-2062.01 -570.87,-2076.77 -600.39,-2076.77 -612.76,-2089.14 C35.2@-649.61,-2089.14 -686.45,-2089.14 -708.66,-2066.93 ; U1.13@-319.88,-2025.59 -319.88,-2078.31 -311.02,-2087.17 -266.3,-2087.17 v1(-225.49,-2127.98) ; U3.9@-244.09,-757.87 v1(-179.13,-757.87) ; U3.24@-244.09,-462.6 -205.83,-462.6 -198.3,-455.06 -190.21,-455.06 -178.06,-442.91 v2(-177.17,-442.91) ; U1.19@-184.06,-1909.45 -137.8,-1909.45 -122.61,-1924.64 C13.2@-122.61,-1992.13 -92.52,-1992.13 P3.2@-68.9,-1968.5 ; U1.32@-184.06,-1653.54 -184.06,-1585.07 C11.2@-187.01,-1582.12 -174.64,-1582.12 v1(-98.43,-1505.91)
  Top Layer w20: U2.2@-629.5,-1173.79 U2.2@-626.97,-1171.26 ; C25.1@-265.75,-1170.28 -146.65,-1170.28 -88.58,-1112.2 v2(-78.74,-1112.2) ; v1(-225.49,-2127.98) -225.49,-2119.19 -223.85,-2117.55 C31.2@-223.85,-2062.99
  Top Layer w50: U2.2@-396.65,-1171.26 C25.1@-266.73,-1171.26
  Signal Layer 1 w10: v1(-179.13,-757.87) -158.19,-757.87 -156.22,-755.91 ; -127.95,-1505.91 v1(-98.43,-1505.91)
  Signal Layer 1 w20: v1(-342.52,-362.2) -246.06,-265.75 -98.43,-265.75 -68.9,-295.28 -68.9,-442.91 ; v1(-225.49,-2127.98) -225.49,-2115.26 -206.69,-2096.46 -206.69,-2037.4 -127.95,-1958.66 ; v2(-177.17,-442.91) -68.9,-442.91 ; -156.22,-990.68 -156.22,-755.91 -156.22,-742.83 -68.9,-655.51 -68.9,-442.91 ; -155.74,-993.32 -155.74,-1042.68 -148.41,-1050.01 -148.41,-1052.38 -143.17,-1057.62 -140.3,-1057.62 -88.58,-1109.33 v2@-88.58,-1112.2 ; v2(-78.74,-1112.2) v2@-88.58,-1112.2 ; P3.2@-68.9,-1968.5 -118.11,-1968.5 -127.95,-1958.66 ; -127.95,-1958.66 -127.95,-1851.85 -147.11,-1832.69 -147.11,-1808.67 -127.95,-1789.51 v1(-127.95,-1771.65) -127.95,-1505.91 -127.95,-1387.8 -118.11,-1377.95 -118.11,-1131.89 -98.43,-1112.2 v2@-88.58,-1112.2
  Signal Layer 2 w20: v1(-570.87,-1368.11) -684.71,-1368.11 -795.03,-1478.43 -795.03,-1966.07 -748.03,-2013.07 P2.1@-748.03,-2017.72 -580.71,-2017.72 -470.44,-2127.98 v1(-225.49,-2127.98)
  Bottom Layer w10: R7.2@-779.53,-294.16 -749.15,-263.78 -641.73,-263.78 ; R13.2@-641.73,-294.16 -641.73,-263.78 ; R12.2@-503.94,-294.16 -503.94,-263.78 ; -404.34,-272.83 -404.85,-272.32 ; U401.5@-337.8,-621.06 -306.1,-621.06 -282.69,-597.65 ; R22.2@-317.49,-1771.66 v1(-127.95,-1771.65) ; C402.2@-248.03,-574.24 -259.28,-574.24 -282.69,-597.65 ; -641.73,-263.78 -503.94,-263.78 ; -503.94,-263.78 -413.39,-263.78 -404.85,-272.32 ; -404.85,-272.32 -377.29,-272.32 -366.14,-283.46 R11.2@-366.14,-294.16 -342.52,-317.78 v1(-342.52,-362.2) -342.52,-378.19 -363.56,-399.23 -374.11,-399.23 -396.39,-421.5 -396.39,-483.96 -282.69,-597.65
5V0: C33.1 C401.2 D5.1 K1.2 L1.2 P1.1 P3.1 P101.4 R6.2 R17.2 U2.3 U401.3 | length 4861.1
  Top Layer w10: R17.2@-204.72,-1089.99 -204.35,-1089.62 v2(-153.55,-1089.62)
  Top Layer w20: U2.3@-626.97,-1263.78 -559.06,-1263.78 -553.15,-1269.68 v2(-492.13,-1269.68)
  Signal Layer 1 w20: v1(-488.19,-551.18) -480.31,-551.18 -464.57,-535.43 -437.01,-535.43 -405.51,-503.94 -405.51,-401.57 -397.64,-393.7 -244.09,-393.7 v1(-149.61,-299.21)
  Signal Layer 2 w20: P1.1@-728.34,-68.89 -728.34,-78.74 -668.76,-138.32 -310.5,-138.32 v1(-149.61,-299.21) -78.21,-370.61 -78.21,-597.9 -133.12,-652.81 -133.12,-766.98 -167.32,-801.18 -167.32,-915.35 ; K1.2@-78.74,-916.93 -165.75,-916.93 -167.32,-915.35 ; P3.1@-68.9,-2047.24 -173.95,-1942.19 -173.95,-1752.6 -154.27,-1732.92 -154.27,-1422.17 -186.48,-1389.96 -186.48,-1336.41 -167.32,-1317.25 -167.32,-1161.42 ; P101.4@-68.9,-1161.42 -167.32,-1161.42 ; -167.32,-1161.42 -167.32,-915.35
  Bottom Layer w10: v1(-488.19,-551.18) -503.94,-566.93 -503.94,-646.65 U401.3@-449.61,-646.65
  Bottom Layer w20: R6.2@-326.77,-2098.98 -120.64,-2098.98 P3.1@-68.9,-2047.24 ; -187.01,-1181.1 -167.32,-1161.42 P101.4@-68.9,-1161.42
  Bottom Layer w50: L1.2@-494.25,-1247.88 -494.25,-1267.56 v2(-492.13,-1269.68) -490.92,-1269.68 -452.42,-1308.19 -435.4,-1308.19 -409.62,-1333.96 ; C33.1@-382.87,-1407.48 -382.87,-1378.94 -409.62,-1352.19 -409.62,-1333.96 ; K1.2@-78.74,-916.93 -149.21,-916.93 -187.01,-954.72 -187.01,-1181.1 -250.98,-1245.08 D5.1@-255.91,-1245.08 -320.74,-1245.08 -409.62,-1333.96
DVDD: C20.2 C52.2 U3.11 U3.23 | length 683.6
  Top Layer w10: U3.11@-244.09,-718.5 -211.05,-718.5 -205.14,-712.6 -39.37,-712.6 -28.35,-701.58 -28.35,-562.2 -39.37,-551.18 -76.16,-551.18 -86.61,-540.72 -86.61,-495.5 ; U3.23@-244.09,-482.28 -201.48,-482.28 -191.25,-472.06 -155.33,-472.06 C20.2@-128.94,-498.46 ; C20.2@-125.98,-495.5 -86.61,-495.5 ; C52.2@-47.24,-495.5 C52.2@-51.18,-495.5 -86.61,-495.5
GND: C2.2 C3.1 C4.1 C5.1 C6.1 C7.1 C10.1 C11.1 C12.1 C13.1 C14.1 C15.1 C16.1 C17.1 C18.2 C19.1 C20.1 C21.1 C23.1 C24.1 C25.2 C26.1 C31.1 C32.1 C33.2 C35.1 C38.2 C41.1 C43.1 C44.1 C49.2 C50.2 C52.1 C100.2 C101.2 C104.2 C105.2 C110.2 C111.2 C401.1 C402.1 D1.2 D2.2 D3.2 D4.2 D5.2 D101.A K1.3 P1.6 P2.3 P3.3 P5.1 P101.1 Q4.S R2.1 R4.1 R18.1 R20.1 R21.1 R24.2 R25.2 R27.2 R33.2 R53.2 R54.1 U1.12 U1.18 U1.60 U1.63 U2.1 U3.8 U3.10 U3.28 U3.39 U3.57 U401.2 U401.8 U401.9 X1B.5 X2.2 X2.4 | length 1895.3
  Top Layer w10: v1(-685.04,-1409.45) -625.43,-1409.45 C14.1@-617.55,-1417.32 ; U3.39@-543.31,-580.71 -462.6,-580.71 U3.57@-393.7,-649.61 ; X1B.5@-486.22,-2192.91 -486.22,-2163.39 C15.1@-480.32,-2157.48 ; -397.64,-850.39 -396.14,-850.39 -391.83,-854.71 -350.77,-854.71 -288.52,-792.46 -286.28,-792.46 ; v1(-303.15,-905.51) -303.15,-937.01 -295.28,-944.88 ; U3.8@-244.09,-777.56 -271.39,-777.56 -286.28,-792.46 ; U1.18@-184.06,-1929.13 -152.45,-1929.13 -144.5,-1937.09 -144.5,-1959.46 C13.1@-177.17,-1992.13 ; v1(-28.12,-735.66) C18.2@-59.06,-735.66 -75.36,-735.66 -78.74,-732.28 -110.24,-732.28 -114.17,-736.22 -166.85,-736.22 -169.19,-733.87 -202.38,-733.87 -206.69,-738.19 U3.10@-244.09,-738.19 -271.39,-738.19 -286.28,-753.09 -286.28,-762.93 -278.98,-770.23 -278.98,-775.31 -286.28,-782.61 -286.28,-792.46
  Top Layer w20: v1(-807.09,-1072.83) C49.2@-807.09,-1018.7 ; v1(-807.09,-974.41) C49.2@-807.09,-1018.7 ; v1(-752.95,-1018.7) C49.2@-807.09,-1018.7 ; D4.2@-750,-748.03 -731.14,-729.17 v1(-706.19,-729.17)
  Bottom Layer w10: -529.19,-903.2 -529.19,-866.36 C21.1@-528.97,-866.14 -528.97,-837.64 -518.43,-827.1 -518.43,-759.84 ; -484.19,-970.88 -463.71,-950.41 -442.81,-950.41 -436.53,-956.69 -424.72,-944.88 C19.1@-410.86,-944.88 ; U401.2@-449.61,-672.24 -406.5,-672.24 U401.9@-393.7,-659.45 ; v1(-448.82,-500) -413.39,-464.57 -413.39,-399.41 -430.54,-382.26 C6.1@-430.54,-366.7 ; U401.9@-413.98,-697.83 U401.8@-337.8,-697.83 ; -356.86,-797.24 -334.65,-797.24 -291.34,-753.94 -291.34,-734.45 ; v1(-303.15,-905.51) -303.15,-934.48 R21.1@-292.75,-944.88
  Bottom Layer w50: -877.95,-1019.68 -876.97,-1018.7 C43.1@-807.09,-1018.7
  other v1: -331.06,-2299.72 -281.06,-2199.72 -731.06,-2099.72 -748.03,-1484.25 -787.4,-1322.83 -1755.91,-1122.05 -1716.54,-1122.05 -1677.17,-1122.05 -255.91,-1094.49 -1755.91,-1082.68 -1716.54,-1082.68 -1677.17,-1082.68 -1755.91,-1043.31 -1716.54,-1043.31 -1677.17,-1043.31 -1755.91,-1003.94 -1716.54,-1003.94 -1677.17,-1003.94 -1744.09,-450.79 -1722.44,-450 -1702.76,-450 -1683.07,-450 -1663.39,-450 -1643.7,-450 -1624.02,-450 -1604.33,-450 -1584.65,-450 -1564.96,-450 -1744.09,-431.1 -1722.44,-430.31 -1702.76,-430.31 -1683.07,-430.31 -1663.39,-430.31 -1643.7,-430.31 -1624.02,-430.31 -1604.33,-430.31 -1584.65,-430.31 -1564.96,-430.31 -1744.09,-362.2 -1722.44,-361.42 -1702.76,-361.42 -1683.07,-361.42 -1663.39,-361.42 -1643.7,-361.42 -1624.02,-361.42 -1604.33,-361.42 -1584.65,-361.42 -1564.96,-361.42 -1744.09,-342.52 -1722.44,-341.73 -1702.76,-341.73 -1683.07,-341.73 -1663.39,-341.73 -1643.7,-341.73 -1624.02,-341.73 -1604.33,-341.73 -1584.65,-341.73 -1564.96,-341.73 -1744.09,-322.83 -1722.44,-322.05 -1702.76,-322.05 -1683.07,-322.05 -1663.39,-322.05 -1643.7,-322.05 -1624.02,-322.05 -1604.33,-322.05 -1584.65,-322.05 -1564.96,-322.05 -531.06,-99.72
  other v3: -393.7,-738.19 -393.7,-570.87